# Altium PCB main - Copy.PcbDoc (part 8 of 14) (continued)
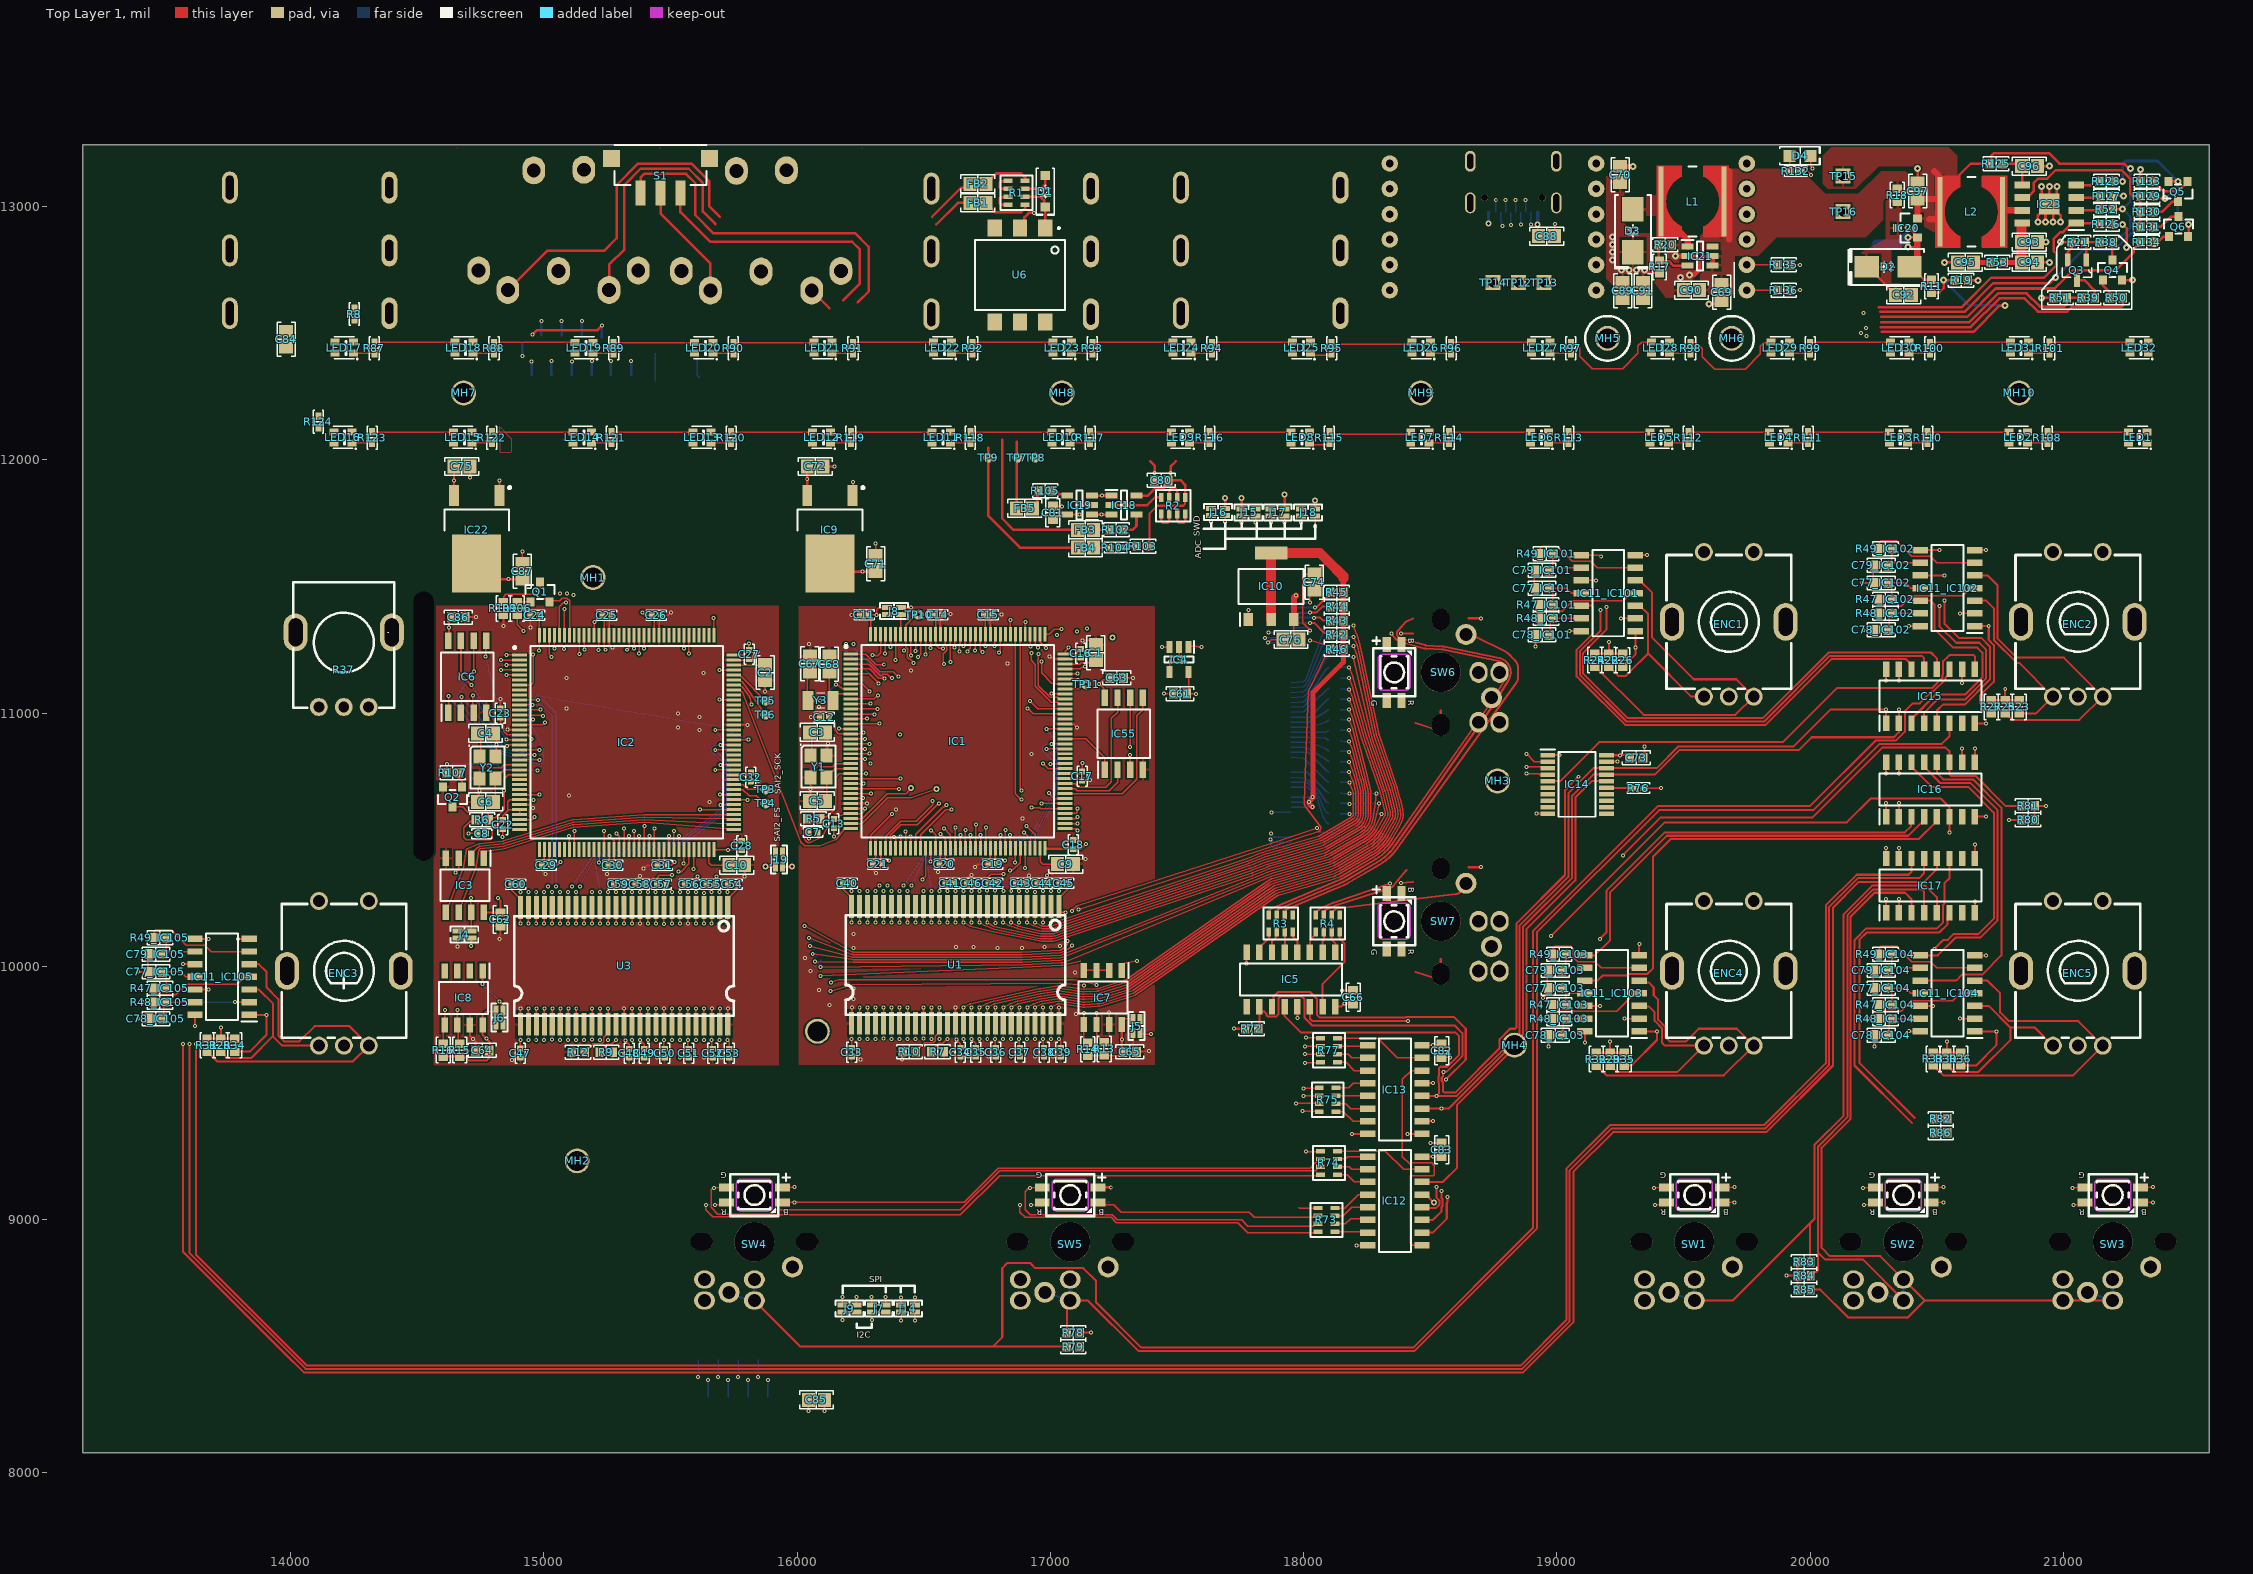
[diagram p0: Top Layer 1 view]
## Nets (pads, with @x,y where several pads share a name; then routed paths per layer and width w, separated by ;. In a path a pad name is that pad's centre, name@x,y a point inside that pad or via, vN(x,y) a via of type N, cw(c..) or ccw(c..) an arc to the next point about the centre after c; other vN are vias at no path point) (continued)
  Bottom 6+gnd w5: v1@15505.68,9709.56 U4.8@15505.68,9771.4
DD5: IC2.59 U3.10 U4.10 | length 2188.2
  Top Layer 1 w5: IC2.59@15415.34,10461.87 15415.85,10462.44 15415.85,10513.82 v1(15416.42,10514.39) ; v1@15442.68,10170.19 U3.10@15442.68,10232.03
  Layer 3 w5: v1(15416.42,10514.39) 15421.51,10547 cw(c15436.7,10544.63) 15436.75,10560 15513.86,10559.77 ; v1(15442.44,9709.31) 15442.44,9803 15458.56,9819.12 15458.56,10145.78 ; v1@15442.44,10167.87 ccw(c15447.44,10167.88) v1@15443.68,10164.58 ; v1@15442.44,10167.87 ccw(c15447.44,10167.88) v1@15443.68,10164.58 ; v1@15442.44,10167.87 ccw(c15447.44,10167.88) v1@15443.68,10164.58 ; v1@15442.44,10167.87 ccw(c15447.44,10167.88) v1@15443.68,10164.58 ; v1@15442.44,10167.87 ccw(c15447.44,10167.88) v1@15443.68,10164.58 ; v1@15442.44,10167.87 ccw(c15447.44,10167.88) v1@15443.68,10164.58 ; v1@15442.44,10167.87 ccw(c15447.44,10167.88) v1@15443.68,10164.58 ; v1@15442.44,10167.87 ccw(c15447.44,10167.88) v1@15443.68,10164.58 ; v1@15442.44,10167.87 ccw(c15447.44,10167.88) v1@15443.68,10164.58 ; v1@15442.44,10167.87 ccw(c15447.44,10167.88) v1@15443.68,10164.58 ; v1@15442.44,10167.87 ccw(c15447.44,10167.88) v1@15443.68,10164.58 ; v1@15442.44,10167.87 ccw(c15447.44,10167.88) v1@15443.68,10164.58 ; v1@15442.44,10167.87 ccw(c15447.44,10167.88) v1@15443.68,10164.58 ; v1@15442.44,10167.87 ccw(c15447.44,10167.88) v1@15443.68,10164.58 ; v1@15442.44,10167.87 ccw(c15447.44,10167.88) v1@15443.68,10164.58 ; v1@15442.44,10167.87 ccw(c15447.44,10167.88) v1@15443.68,10164.58 ; v1@15442.44,10167.87 v1(15442.44,10169.94) 15456.69,10184.24 ccw(c15453.15,10187.77) 15458.15,10187.68 15458.15,10340.53 cw(c15463.15,10340.53) 15460.15,10344.53 15497.64,10372.62 ; v1@15443.68,10164.58 15457.32,10149.04 ; 15457.32,10149.04 cw(c15453.56,10145.74) 15458.56,10145.83 ; 15457.32,10149.04 cw(c15453.56,10145.74) 15458.56,10145.83 ; 15457.32,10149.04 cw(c15453.56,10145.74) 15458.56,10145.83 ; 15457.32,10149.04 cw(c15453.56,10145.74) 15458.56,10145.83 ; 15457.32,10149.04 cw(c15453.56,10145.74) 15458.56,10145.83 ; 15457.32,10149.04 cw(c15453.56,10145.74) 15458.56,10145.83 ; 15457.32,10149.04 cw(c15453.56,10145.74) 15458.56,10145.83 ; 15457.32,10149.04 cw(c15453.56,10145.74) 15458.56,10145.83 ; 15457.32,10149.04 cw(c15453.56,10145.74) 15458.56,10145.83 ; 15457.32,10149.04 cw(c15453.56,10145.74) 15458.56,10145.83 ; 15457.32,10149.04 cw(c15453.56,10145.74) 15458.56,10145.83 ; 15457.32,10149.04 cw(c15453.56,10145.74) 15458.56,10145.83 ; 15457.32,10149.04 cw(c15453.56,10145.74) 15458.56,10145.83 ; 15457.32,10149.04 cw(c15453.56,10145.74) 15458.56,10145.83 ; 15457.32,10149.04 cw(c15453.56,10145.74) 15458.56,10145.83 ; 15457.32,10149.04 cw(c15453.56,10145.74) 15458.56,10145.83 ; 15497.64,10372.62 cw(c15506.85,10360.32) 15499.18,10373.64 ; 15497.64,10372.62 cw(c15506.85,10360.32) 15499.18,10373.64 ; 15497.64,10372.62 cw(c15506.85,10360.32) 15499.18,10373.64 ; 15497.64,10372.62 cw(c15506.85,10360.32) 15499.18,10373.64 ; 15497.64,10372.62 cw(c15506.85,10360.32) 15499.18,10373.64 ; 15497.64,10372.62 cw(c15506.85,10360.32) 15499.18,10373.64 ; 15497.64,10372.62 cw(c15506.85,10360.32) 15499.18,10373.64 ; 15497.64,10372.62 cw(c15506.85,10360.32) 15499.18,10373.64 ; 15497.64,10372.62 cw(c15506.85,10360.32) 15499.18,10373.64 ; 15497.64,10372.62 cw(c15506.85,10360.32) 15499.18,10373.64 ; 15497.64,10372.62 cw(c15506.85,10360.32) 15499.18,10373.64 ; 15497.64,10372.62 cw(c15506.85,10360.32) 15499.18,10373.64 ; 15497.64,10372.62 cw(c15506.85,10360.32) 15499.18,10373.64 ; 15497.64,10372.62 cw(c15506.85,10360.32) 15499.18,10373.64 ; 15497.64,10372.62 cw(c15506.85,10360.32) 15499.18,10373.64 ; 15497.64,10372.62 cw(c15506.85,10360.32) 15499.18,10373.64 ; 15499.18,10373.64 15524.03,10387.95 ; 15513.86,10559.77 cw(c15513.79,10534.39) 15532.02,10552.04 ; 15513.86,10559.77 cw(c15513.79,10534.39) 15532.02,10552.04 ; 15513.86,10559.77 cw(c15513.79,10534.39) 15532.02,10552.04 ; 15513.86,10559.77 cw(c15513.79,10534.39) 15532.02,10552.04 ; 15513.86,10559.77 cw(c15513.79,10534.39) 15532.02,10552.04 ; 15513.86,10559.77 cw(c15513.79,10534.39) 15532.02,10552.04 ; 15513.86,10559.77 cw(c15513.79,10534.39) 15532.02,10552.04 ; 15513.86,10559.77 cw(c15513.79,10534.39) 15532.02,10552.04 ; 15513.86,10559.77 cw(c15513.79,10534.39) 15532.02,10552.04 ; 15513.86,10559.77 cw(c15513.79,10534.39) 15532.02,10552.04 ; 15513.86,10559.77 cw(c15513.79,10534.39) 15532.02,10552.04 ; 15513.86,10559.77 cw(c15513.79,10534.39) 15532.02,10552.04 ; 15513.86,10559.77 cw(c15513.79,10534.39) 15532.02,10552.04 ; 15513.86,10559.77 cw(c15513.79,10534.39) 15532.02,10552.04 ; 15513.86,10559.77 cw(c15513.79,10534.39) 15532.02,10552.04 ; 15513.86,10559.77 cw(c15513.79,10534.39) 15532.02,10552.04 ; 15524.03,10387.95 cw(c15531.7,10374.63) 15531,10389.99 ; 15524.03,10387.95 cw(c15531.7,10374.63) 15531,10389.99 ; 15524.03,10387.95 cw(c15531.7,10374.63) 15531,10389.99 ; 15524.03,10387.95 cw(c15531.7,10374.63) 15531,10389.99 ; 15524.03,10387.95 cw(c15531.7,10374.63) 15531,10389.99 ; 15524.03,10387.95 cw(c15531.7,10374.63) 15531,10389.99 ; 15524.03,10387.95 cw(c15531.7,10374.63) 15531,10389.99 ; 15524.03,10387.95 cw(c15531.7,10374.63) 15531,10389.99 ; 15524.03,10387.95 cw(c15531.7,10374.63) 15531,10389.99 ; 15524.03,10387.95 cw(c15531.7,10374.63) 15531,10389.99 ; 15524.03,10387.95 cw(c15531.7,10374.63) 15531,10389.99 ; 15524.03,10387.95 cw(c15531.7,10374.63) 15531,10389.99 ; 15524.03,10387.95 cw(c15531.7,10374.63) 15531,10389.99 ; 15524.03,10387.95 cw(c15531.7,10374.63) 15531,10389.99 ; 15524.03,10387.95 cw(c15531.7,10374.63) 15531,10389.99 ; 15524.03,10387.95 cw(c15531.7,10374.63) 15531,10389.99 ; 15531,10389.99 15552.75,10390.97 ; 15532.02,10552.04 15551.38,10532.04 cw(c15533.16,10514.39) 15558.45,10516.47 15567.38,10407.59 ; 15552.75,10390.97 ccw(c15552.06,10406.33) 15567.38,10407.59 ; 15552.75,10390.97 ccw(c15552.06,10406.33) 15567.38,10407.59 ; 15552.75,10390.97 ccw(c15552.06,10406.33) 15567.38,10407.59 ; 15552.75,10390.97 ccw(c15552.06,10406.33) 15567.38,10407.59 ; 15552.75,10390.97 ccw(c15552.06,10406.33) 15567.38,10407.59 ; 15552.75,10390.97 ccw(c15552.06,10406.33) 15567.38,10407.59 ; 15552.75,10390.97 ccw(c15552.06,10406.33) 15567.38,10407.59 ; 15552.75,10390.97 ccw(c15552.06,10406.33) 15567.38,10407.59 ; 15552.75,10390.97 ccw(c15552.06,10406.33) 15567.38,10407.59 ; 15552.75,10390.97 ccw(c15552.06,10406.33) 15567.38,10407.59 ; 15552.75,10390.97 ccw(c15552.06,10406.33) 15567.38,10407.59 ; 15552.75,10390.97 ccw(c15552.06,10406.33) 15567.38,10407.59 ; 15552.75,10390.97 ccw(c15552.06,10406.33) 15567.38,10407.59 ; 15552.75,10390.97 ccw(c15552.06,10406.33) 15567.38,10407.59 ; 15552.75,10390.97 ccw(c15552.06,10406.33) 15567.38,10407.59 ; 15552.75,10390.97 ccw(c15552.06,10406.33) 15567.38,10407.59
  Bottom 6+gnd w5: v1@15442.68,9709.56 U4.10@15442.68,9771.4
DD6: IC2.60 U3.11 U4.11 | length 1584.3
  Top Layer 1 w5: v1@15411.19,10170.19 U3.11@15411.19,10232.03 ; IC2.60@15435.13,10461.71 15435.83,10462.42 15435.83,10543.76 v1(15436.7,10544.63)
  Layer 3 w5: v1(15410.94,9709.31) 15410.94,9803 15427.06,9819.12 15427.06,10145.78 ; v1(15410.94,10169.94) ccw(c15415.94,10169.94) 15411.99,10166.88 15426.02,10148.8 ; 15426.32,10196.3 15426.32,10352.17 ; v1(15436.7,10544.63) 15512.76,10549.73 ; v1(15410.94,10169.94) cw(c15415.94,10169.94) v1@15411.78,10172.71 ; v1(15410.94,10169.94) cw(c15415.94,10169.94) v1@15411.78,10172.71 ; v1(15410.94,10169.94) cw(c15415.94,10169.94) v1@15411.78,10172.71 ; v1(15410.94,10169.94) cw(c15415.94,10169.94) v1@15411.78,10172.71 ; v1(15410.94,10169.94) cw(c15415.94,10169.94) v1@15411.78,10172.71 ; v1(15410.94,10169.94) cw(c15415.94,10169.94) v1@15411.78,10172.71 ; v1(15410.94,10169.94) cw(c15415.94,10169.94) v1@15411.78,10172.71 ; v1(15410.94,10169.94) cw(c15415.94,10169.94) v1@15411.78,10172.71 ; v1(15410.94,10169.94) cw(c15415.94,10169.94) v1@15411.78,10172.71 ; v1(15410.94,10169.94) cw(c15415.94,10169.94) v1@15411.78,10172.71 ; v1(15410.94,10169.94) cw(c15415.94,10169.94) v1@15411.78,10172.71 ; v1(15410.94,10169.94) cw(c15415.94,10169.94) v1@15411.78,10172.71 ; v1(15410.94,10169.94) cw(c15415.94,10169.94) v1@15411.78,10172.71 ; v1(15410.94,10169.94) cw(c15415.94,10169.94) v1@15411.78,10172.71 ; v1(15410.94,10169.94) cw(c15415.94,10169.94) v1@15411.78,10172.71 ; v1(15410.94,10169.94) cw(c15415.94,10169.94) v1@15411.78,10172.71 ; v1@15411.78,10172.71 15425.5,10193.6 ; 15425.5,10193.6 ccw(c15421.32,10196.34) 15426.32,10196.25 ; 15425.5,10193.6 ccw(c15421.32,10196.34) 15426.32,10196.25 ; 15425.5,10193.6 ccw(c15421.32,10196.34) 15426.32,10196.25 ; 15425.5,10193.6 ccw(c15421.32,10196.34) 15426.32,10196.25 ; 15425.5,10193.61 ccw(c15421.32,10196.34) 15426.32,10196.25 ; 15425.5,10193.61 ccw(c15421.32,10196.34) 15426.32,10196.25 ; 15425.5,10193.61 ccw(c15421.32,10196.34) 15426.32,10196.25 ; 15425.5,10193.61 ccw(c15421.32,10196.34) 15426.32,10196.25 ; 15425.51,10193.61 ccw(c15421.32,10196.34) 15426.32,10196.25 ; 15425.51,10193.61 ccw(c15421.32,10196.34) 15426.32,10196.25 ; 15425.51,10193.61 ccw(c15421.32,10196.34) 15426.32,10196.25 ; 15425.51,10193.61 ccw(c15421.32,10196.34) 15426.32,10196.25 ; 15425.51,10193.61 ccw(c15421.32,10196.34) 15426.32,10196.25 ; 15425.51,10193.61 ccw(c15421.32,10196.34) 15426.32,10196.25 ; 15425.51,10193.61 ccw(c15421.32,10196.34) 15426.32,10196.25 ; 15425.51,10193.61 ccw(c15421.32,10196.34) 15426.32,10196.25 ; 15426.02,10148.8 cw(c15422.06,10145.74) 15427.06,10145.83 ; 15426.02,10148.8 cw(c15422.06,10145.74) 15427.06,10145.83 ; 15426.02,10148.8 cw(c15422.06,10145.74) 15427.06,10145.83 ; 15426.02,10148.8 cw(c15422.06,10145.74) 15427.06,10145.83 ; 15426.02,10148.8 cw(c15422.06,10145.74) 15427.06,10145.83 ; 15426.02,10148.8 cw(c15422.06,10145.74) 15427.06,10145.83 ; 15426.02,10148.8 cw(c15422.06,10145.74) 15427.06,10145.83 ; 15426.02,10148.8 cw(c15422.06,10145.74) 15427.06,10145.83 ; 15426.02,10148.8 cw(c15422.06,10145.74) 15427.06,10145.83 ; 15426.02,10148.8 cw(c15422.06,10145.74) 15427.06,10145.83 ; 15426.02,10148.8 cw(c15422.06,10145.74) 15427.06,10145.83 ; 15426.02,10148.8 cw(c15422.06,10145.74) 15427.06,10145.83 ; 15426.02,10148.8 cw(c15422.06,10145.74) 15427.06,10145.83 ; 15426.02,10148.8 cw(c15422.06,10145.74) 15427.06,10145.83 ; 15426.02,10148.8 cw(c15422.06,10145.74) 15427.06,10145.83 ; 15426.02,10148.8 cw(c15422.06,10145.74) 15427.06,10145.83 ; 15426.32,10352.17 cw(c15431.32,10352.17) 15427.39,10355.27 ; 15426.32,10352.17 cw(c15431.32,10352.17) 15427.39,10355.27 ; 15426.32,10352.17 cw(c15431.32,10352.17) 15427.39,10355.27 ; 15426.32,10352.17 cw(c15431.32,10352.17) 15427.39,10355.27 ; 15426.32,10352.17 cw(c15431.32,10352.17) 15427.39,10355.27 ; 15426.32,10352.17 cw(c15431.32,10352.17) 15427.39,10355.27 ; 15426.32,10352.17 cw(c15431.32,10352.17) 15427.39,10355.27 ; 15426.32,10352.17 cw(c15431.32,10352.17) 15427.39,10355.27 ; 15426.32,10352.17 cw(c15431.32,10352.17) 15427.39,10355.27 ; 15426.32,10352.17 cw(c15431.32,10352.17) 15427.39,10355.27 ; 15426.32,10352.17 cw(c15431.32,10352.17) 15427.39,10355.27 ; 15426.32,10352.17 cw(c15431.32,10352.17) 15427.39,10355.27 ; 15426.32,10352.17 cw(c15431.32,10352.17) 15427.39,10355.27 ; 15426.32,10352.17 cw(c15431.32,10352.17) 15427.39,10355.27 ; 15426.32,10352.17 cw(c15431.32,10352.17) 15427.39,10355.27 ; 15426.32,10352.17 cw(c15431.32,10352.17) 15427.39,10355.27 ; 15427.39,10355.27 15545.23,10504.88 ccw(c15533.16,10514.39) 15544.2,10525.09 15524.83,10545.09 ; 15512.76,10549.73 cw(c15513.79,10534.39) 15524.83,10545.09 ; 15512.76,10549.73 cw(c15513.79,10534.39) 15524.83,10545.09 ; 15512.76,10549.73 cw(c15513.79,10534.39) 15524.83,10545.09 ; 15512.76,10549.73 cw(c15513.79,10534.39) 15524.83,10545.09 ; 15512.76,10549.73 cw(c15513.79,10534.39) 15524.83,10545.09 ; 15512.76,10549.73 cw(c15513.79,10534.39) 15524.83,10545.09 ; 15512.76,10549.73 cw(c15513.79,10534.39) 15524.83,10545.09 ; 15512.76,10549.73 cw(c15513.79,10534.39) 15524.83,10545.09 ; 15512.76,10549.73 cw(c15513.79,10534.39) 15524.83,10545.09 ; 15512.76,10549.73 cw(c15513.79,10534.39) 15524.83,10545.09 ; 15512.76,10549.73 cw(c15513.79,10534.39) 15524.83,10545.09 ; 15512.76,10549.73 cw(c15513.79,10534.39) 15524.83,10545.09 ; 15512.76,10549.73 cw(c15513.79,10534.39) 15524.83,10545.09 ; 15512.76,10549.73 cw(c15513.79,10534.39) 15524.83,10545.09 ; 15512.76,10549.73 cw(c15513.79,10534.39) 15524.83,10545.09 ; 15512.76,10549.73 cw(c15513.79,10534.39) 15524.83,10545.09
  Bottom 6+gnd w5: v1@15411.19,9709.56 U4.11@15411.19,9771.4
DD7: IC2.63 U3.13 U4.13 | length 1246.9
  Top Layer 1 w5: v1@15348.2,10170.19 U3.13@15348.2,10232.03 ; IC2.63@15494.02,10461.87 v1@15494.02,10514.16
  Layer 3 w5: v1(15347.95,9709.31) 15347.95,9803 15363.81,9818.86 15363.81,10146.04 ; v1(15347.95,10169.94) cw(c15352.95,10169.94) 15348.77,10172.68 15362.5,10193.6 ; 15363.32,10196.3 15363.32,10379.18 ; v1(15493.79,10514.39) 15364.75,10382.68 ccw(c15368.33,10379.18) 15363.32,10379.18 ; v1(15347.95,10169.94) ccw(c15352.95,10169.94) v1@15348.98,10166.9 ; v1(15347.95,10169.94) ccw(c15352.95,10169.94) v1@15348.98,10166.9 ; v1(15347.95,10169.94) ccw(c15352.95,10169.94) v1@15348.98,10166.9 ; v1(15347.95,10169.94) ccw(c15352.95,10169.94) v1@15348.98,10166.9 ; v1(15347.95,10169.94) ccw(c15352.95,10169.94) v1@15348.99,10166.89 ; v1(15347.95,10169.94) ccw(c15352.95,10169.94) v1@15348.98,10166.9 ; v1(15347.95,10169.94) ccw(c15352.95,10169.94) v1@15348.98,10166.9 ; v1(15347.95,10169.94) ccw(c15352.95,10169.94) v1@15348.98,10166.9 ; v1(15347.95,10169.94) ccw(c15352.95,10169.94) v1@15348.98,10166.9 ; v1(15347.95,10169.94) ccw(c15352.95,10169.94) v1@15348.98,10166.9 ; v1(15347.95,10169.94) ccw(c15352.95,10169.94) v1@15348.98,10166.9 ; v1(15347.95,10169.94) ccw(c15352.95,10169.94) v1@15348.98,10166.9 ; v1(15347.95,10169.94) ccw(c15352.95,10169.94) v1@15348.98,10166.9 ; v1(15347.95,10169.94) ccw(c15352.95,10169.94) v1@15348.98,10166.9 ; v1(15347.95,10169.94) ccw(c15352.95,10169.94) v1@15348.98,10166.9 ; v1(15347.95,10169.94) ccw(c15352.95,10169.94) v1@15348.98,10166.9 ; v1@15348.99,10166.89 15362.77,10149.05 ; 15362.5,10193.6 ccw(c15358.32,10196.34) 15363.32,10196.25 ; 15362.51,10193.6 ccw(c15358.32,10196.34) 15363.32,10196.25 ; 15362.51,10193.6 ccw(c15358.32,10196.34) 15363.32,10196.25 ; 15362.51,10193.6 ccw(c15358.32,10196.34) 15363.32,10196.25 ; 15362.51,10193.6 ccw(c15358.32,10196.34) 15363.32,10196.25 ; 15362.51,10193.6 ccw(c15358.32,10196.34) 15363.32,10196.25 ; 15362.51,10193.6 ccw(c15358.32,10196.34) 15363.32,10196.25 ; 15362.51,10193.6 ccw(c15358.32,10196.34) 15363.32,10196.25 ; 15362.51,10193.6 ccw(c15358.32,10196.34) 15363.32,10196.25 ; 15362.51,10193.6 ccw(c15358.32,10196.34) 15363.32,10196.25 ; 15362.51,10193.6 ccw(c15358.32,10196.34) 15363.32,10196.25 ; 15362.51,10193.6 ccw(c15358.32,10196.34) 15363.32,10196.25 ; 15362.51,10193.6 ccw(c15358.32,10196.34) 15363.32,10196.25 ; 15362.51,10193.6 ccw(c15358.32,10196.34) 15363.32,10196.25 ; 15362.51,10193.6 ccw(c15358.32,10196.34) 15363.32,10196.25 ; 15362.51,10193.6 ccw(c15358.32,10196.34) 15363.32,10196.25 ; 15362.77,10149.05 cw(c15358.81,10146) 15363.81,10146.09 ; 15362.77,10149.05 cw(c15358.81,10146) 15363.81,10146.09 ; 15362.77,10149.05 cw(c15358.81,10146) 15363.81,10146.09 ; 15362.77,10149.05 cw(c15358.81,10146) 15363.81,10146.09 ; 15362.77,10149.05 cw(c15358.81,10146) 15363.81,10146.09 ; 15362.77,10149.05 cw(c15358.81,10146) 15363.81,10146.09 ; 15362.77,10149.05 cw(c15358.81,10146) 15363.81,10146.09 ; 15362.77,10149.05 cw(c15358.81,10146) 15363.81,10146.09 ; 15362.77,10149.05 cw(c15358.81,10146) 15363.81,10146.09 ; 15362.77,10149.05 cw(c15358.81,10146) 15363.81,10146.09 ; 15362.77,10149.05 cw(c15358.81,10146) 15363.81,10146.09 ; 15362.77,10149.05 cw(c15358.81,10146) 15363.81,10146.09 ; 15362.77,10149.05 cw(c15358.81,10146) 15363.81,10146.09 ; 15362.77,10149.05 cw(c15358.81,10146) 15363.81,10146.09 ; 15362.77,10149.05 cw(c15358.81,10146) 15363.81,10146.09 ; 15362.77,10149.05 cw(c15358.81,10146) 15363.81,10146.09 ; 15363.32,10379.18 cw(c15368.33,10379.18) 15364.74,10382.67 ; 15363.32,10379.18 cw(c15368.33,10379.18) 15364.74,10382.67 ; 15363.32,10379.18 cw(c15368.33,10379.18) 15364.75,10382.67 ; 15363.32,10379.18 cw(c15368.33,10379.18) 15364.74,10382.67 ; 15363.32,10379.18 cw(c15368.33,10379.18) 15364.74,10382.67 ; 15363.32,10379.18 cw(c15368.33,10379.18) 15364.74,10382.67 ; 15363.32,10379.18 cw(c15368.33,10379.18) 15364.74,10382.67 ; 15363.32,10379.18 cw(c15368.33,10379.18) 15364.74,10382.66 ; 15363.32,10379.18 cw(c15368.33,10379.18) 15364.74,10382.66 ; 15363.32,10379.18 cw(c15368.33,10379.18) 15364.74,10382.66 ; 15363.32,10379.18 cw(c15368.33,10379.18) 15364.74,10382.66 ; 15363.32,10379.18 cw(c15368.33,10379.18) 15364.74,10382.66 ; 15363.32,10379.18 cw(c15368.33,10379.18) 15364.74,10382.66 ; 15363.32,10379.18 cw(c15368.33,10379.18) 15364.74,10382.66 ; 15363.32,10379.18 cw(c15368.33,10379.18) 15364.74,10382.66
  Bottom 6+gnd w5: v1@15348.2,9709.56 U4.13@15348.2,9771.4
DD8: IC2.64 U3.42 U4.42 | length 1288.6
  Top Layer 1 w5: U3.42@15348.2,9771.4 v1@15348.2,9833.24 ; IC2.64@15513.87,10461.71 v1@15513.87,10534.31
  Layer 3 w5: v1(15348.44,9833.49) 15348.44,10145.64 ; 15348.44,10195.56 15348.44,10293.63 v1(15347.95,10294.12) 15347.95,10388.23 ; v1(15513.79,10534.39) 15490.57,10529.43 ; 15346.98,10149.12 cw(c15343.44,10145.59) 15348.44,10145.68 ; 15346.98,10149.12 cw(c15343.44,10145.59) 15348.44,10145.68 ; 15346.98,10149.12 cw(c15343.44,10145.59) 15348.44,10145.68 ; 15346.98,10149.12 cw(c15343.44,10145.59) 15348.44,10145.68 ; 15346.98,10149.12 cw(c15343.44,10145.59) 15348.44,10145.68 ; 15346.98,10149.12 cw(c15343.44,10145.59) 15348.44,10145.68 ; 15346.98,10149.12 cw(c15343.44,10145.59) 15348.44,10145.68 ; 15346.98,10149.12 cw(c15343.44,10145.59) 15348.44,10145.68 ; 15346.98,10149.12 cw(c15343.44,10145.59) 15348.44,10145.68 ; 15346.98,10149.12 cw(c15343.44,10145.59) 15348.44,10145.68 ; 15346.98,10149.12 cw(c15343.44,10145.59) 15348.44,10145.68 ; 15346.98,10149.12 cw(c15343.44,10145.59) 15348.44,10145.68 ; 15346.98,10149.12 cw(c15343.44,10145.59) 15348.44,10145.68 ; 15346.98,10149.12 cw(c15343.44,10145.59) 15348.44,10145.68 ; 15346.98,10149.12 cw(c15343.44,10145.59) 15348.44,10145.68 ; 15346.98,10149.12 cw(c15343.44,10145.59) 15348.44,10145.68 ; 15346.98,10149.12 15337.06,10159.1 cw(c15347.95,10169.94) 15336.43,10180.12 15347.19,10192.29 ; 15347.19,10192.29 ccw(c15343.44,10195.6) 15348.44,10195.51 ; 15347.19,10192.29 ccw(c15343.44,10195.6) 15348.44,10195.51 ; 15347.19,10192.29 ccw(c15343.44,10195.6) 15348.44,10195.51 ; 15347.19,10192.29 ccw(c15343.44,10195.6) 15348.44,10195.51 ; 15347.19,10192.29 ccw(c15343.44,10195.6) 15348.44,10195.51 ; 15347.19,10192.29 ccw(c15343.44,10195.6) 15348.44,10195.51 ; 15347.19,10192.29 ccw(c15343.44,10195.6) 15348.44,10195.51 ; 15347.19,10192.29 ccw(c15343.44,10195.6) 15348.44,10195.51 ; 15347.19,10192.29 ccw(c15343.44,10195.6) 15348.44,10195.51 ; 15347.19,10192.29 ccw(c15343.44,10195.6) 15348.44,10195.51 ; 15347.19,10192.29 ccw(c15343.44,10195.6) 15348.44,10195.51 ; 15347.19,10192.29 ccw(c15343.44,10195.6) 15348.44,10195.51 ; 15347.19,10192.29 ccw(c15343.44,10195.6) 15348.44,10195.51 ; 15347.19,10192.29 ccw(c15343.44,10195.6) 15348.44,10195.51 ; 15347.19,10192.29 ccw(c15343.44,10195.6) 15348.44,10195.51 ; 15347.19,10192.29 ccw(c15343.44,10195.6) 15348.44,10195.51 ; 15347.95,10388.23 cw(c15352.95,10388.23) 15349.4,10391.74 ; 15347.95,10388.23 cw(c15352.95,10388.23) 15349.4,10391.74 ; 15347.95,10388.23 cw(c15352.95,10388.23) 15349.4,10391.74 ; 15347.95,10388.23 cw(c15352.95,10388.23) 15349.4,10391.74 ; 15347.95,10388.23 cw(c15352.95,10388.23) 15349.4,10391.74 ; 15347.95,10388.23 cw(c15352.95,10388.23) 15349.4,10391.74 ; 15347.95,10388.23 cw(c15352.95,10388.23) 15349.4,10391.74 ; 15347.95,10388.23 cw(c15352.95,10388.23) 15349.4,10391.74 ; 15347.95,10388.23 cw(c15352.95,10388.23) 15349.4,10391.74 ; 15347.95,10388.23 cw(c15352.95,10388.23) 15349.4,10391.74 ; 15347.95,10388.23 cw(c15352.95,10388.23) 15349.4,10391.74 ; 15347.95,10388.23 cw(c15352.95,10388.23) 15349.4,10391.74 ; 15347.95,10388.23 cw(c15352.95,10388.23) 15349.4,10391.74 ; 15347.95,10388.23 cw(c15352.95,10388.23) 15349.4,10391.74 ; 15347.95,10388.23 cw(c15352.95,10388.23) 15349.4,10391.74 ; 15347.95,10388.23 cw(c15352.95,10388.23) 15349.4,10391.74 ; 15349.4,10391.74 15482.93,10525.28 ; 15482.93,10525.28 cw(c15493.79,10514.39) 15490.57,10529.43 ; 15482.93,10525.28 cw(c15493.79,10514.39) 15490.57,10529.43 ; 15482.93,10525.28 cw(c15493.79,10514.39) 15490.57,10529.43 ; 15482.93,10525.28 cw(c15493.79,10514.39) 15490.57,10529.43 ; 15482.93,10525.28 cw(c15493.79,10514.39) 15490.57,10529.43 ; 15482.93,10525.28 cw(c15493.79,10514.39) 15490.57,10529.43 ; 15482.93,10525.28 cw(c15493.79,10514.39) 15490.57,10529.43 ; 15482.93,10525.28 cw(c15493.79,10514.39) 15490.57,10529.43 ; 15482.93,10525.28 cw(c15493.79,10514.39) 15490.57,10529.43 ; 15482.93,10525.28 cw(c15493.79,10514.39) 15490.57,10529.43 ; 15482.93,10525.28 cw(c15493.79,10514.39) 15490.57,10529.43 ; 15482.93,10525.28 cw(c15493.79,10514.39) 15490.57,10529.43 ; 15482.93,10525.28 cw(c15493.79,10514.39) 15490.57,10529.43 ; 15482.93,10525.28 cw(c15493.79,10514.39) 15490.57,10529.43 ; 15482.93,10525.28 cw(c15493.79,10514.39) 15490.57,10529.43 ; 15482.93,10525.28 cw(c15493.79,10514.39) 15490.57,10529.43
  Bottom 6+gnd w5: U4.42@15348.2,10232.03 v1@15348.2,10293.87
DD9: IC2.65 U3.44 U4.44 | length 1096.9
  Top Layer 1 w5: U3.44@15411.19,9771.4 v1@15411.19,9833.24 ; IC2.65@15533.39,10461.87 v1@15533.39,10514.16
  Layer 3 w5: v1(15411.43,9833.49) 15411.43,10145.64 ; 15411.43,10195.56 15411.43,10293.63 v1(15410.94,10294.12) 15410.94,10404.3 ; v1(15533.16,10514.39) 15412.63,10408.04 ; 15409.98,10149.12 cw(c15406.43,10145.59) 15411.43,10145.68 ; 15409.98,10149.12 cw(c15406.43,10145.59) 15411.43,10145.68 ; 15409.98,10149.12 cw(c15406.43,10145.59) 15411.43,10145.68 ; 15409.98,10149.12 cw(c15406.43,10145.59) 15411.43,10145.68 ; 15409.98,10149.12 cw(c15406.43,10145.59) 15411.43,10145.68 ; 15409.98,10149.12 cw(c15406.43,10145.59) 15411.43,10145.68 ; 15409.98,10149.12 cw(c15406.43,10145.59) 15411.43,10145.68 ; 15409.98,10149.12 cw(c15406.43,10145.59) 15411.43,10145.68 ; 15409.98,10149.12 cw(c15406.43,10145.59) 15411.43,10145.68 ; 15409.98,10149.12 cw(c15406.43,10145.59) 15411.43,10145.68 ; 15409.98,10149.12 cw(c15406.43,10145.59) 15411.43,10145.68 ; 15409.98,10149.12 cw(c15406.43,10145.59) 15411.43,10145.68 ; 15409.98,10149.12 cw(c15406.43,10145.59) 15411.43,10145.68 ; 15409.98,10149.12 cw(c15406.43,10145.59) 15411.43,10145.68 ; 15409.98,10149.12 cw(c15406.43,10145.59) 15411.43,10145.68 ; 15409.98,10149.12 cw(c15406.43,10145.59) 15411.43,10145.68 ; 15409.98,10149.12 15400.05,10159.1 cw(c15410.94,10169.94) 15399.42,10180.12 15410.18,10192.29 ; 15410.18,10192.29 ccw(c15406.43,10195.6) 15411.43,10195.51 ; 15410.18,10192.29 ccw(c15406.43,10195.6) 15411.43,10195.51 ; 15410.18,10192.29 ccw(c15406.43,10195.6) 15411.43,10195.51 ; 15410.18,10192.29 ccw(c15406.43,10195.6) 15411.43,10195.51 ; 15410.18,10192.29 ccw(c15406.43,10195.6) 15411.43,10195.51 ; 15410.18,10192.29 ccw(c15406.43,10195.6) 15411.43,10195.51 ; 15410.18,10192.29 ccw(c15406.43,10195.6) 15411.43,10195.51 ; 15410.18,10192.29 ccw(c15406.43,10195.6) 15411.43,10195.51 ; 15410.18,10192.29 ccw(c15406.43,10195.6) 15411.43,10195.51 ; 15410.18,10192.29 ccw(c15406.43,10195.6) 15411.43,10195.51 ; 15410.18,10192.29 ccw(c15406.43,10195.6) 15411.43,10195.51 ; 15410.18,10192.29 ccw(c15406.43,10195.6) 15411.43,10195.51 ; 15410.18,10192.29 ccw(c15406.43,10195.6) 15411.43,10195.51 ; 15410.18,10192.29 ccw(c15406.43,10195.6) 15411.43,10195.51 ; 15410.18,10192.29 ccw(c15406.43,10195.6) 15411.43,10195.51 ; 15410.18,10192.29 ccw(c15406.43,10195.6) 15411.43,10195.51 ; 15410.94,10404.3 cw(c15415.94,10404.3) 15412.63,10408.05 ; 15410.94,10404.3 cw(c15415.94,10404.3) 15412.63,10408.05 ; 15410.94,10404.3 cw(c15415.94,10404.3) 15412.63,10408.05 ; 15410.94,10404.3 cw(c15415.94,10404.3) 15412.63,10408.05 ; 15410.94,10404.3 cw(c15415.94,10404.3) 15412.63,10408.05 ; 15410.94,10404.3 cw(c15415.94,10404.3) 15412.63,10408.05 ; 15410.94,10404.3 cw(c15415.94,10404.3) 15412.63,10408.05 ; 15410.94,10404.3 cw(c15415.94,10404.3) 15412.63,10408.05 ; 15410.94,10404.3 cw(c15415.94,10404.3) 15412.63,10408.05 ; 15410.94,10404.3 cw(c15415.94,10404.3) 15412.63,10408.05 ; 15410.94,10404.3 cw(c15415.94,10404.3) 15412.63,10408.05 ; 15410.94,10404.3 cw(c15415.94,10404.3) 15412.63,10408.05 ; 15410.94,10404.3 cw(c15415.94,10404.3) 15412.63,10408.05 ; 15410.94,10404.3 cw(c15415.94,10404.3) 15412.63,10408.05 ; 15410.94,10404.3 cw(c15415.94,10404.3) 15412.63,10408.05 ; 15410.94,10404.3 cw(c15415.94,10404.3) 15412.63,10408.05
  Bottom 6+gnd w5: U4.44@15411.19,10232.03 v1@15411.19,10293.87